# Altium PCB zhuzhuan1.PcbDoc
Units mil, origin at the board's own origin, x right, y up, seen from the top; angles counter-clockwise.
Board outline 18223.66 x 9842.52 mil, 2 copper layers (Top Layer, Bottom Layer); 80 components, 79 nets, 458 pads, 90 vias.
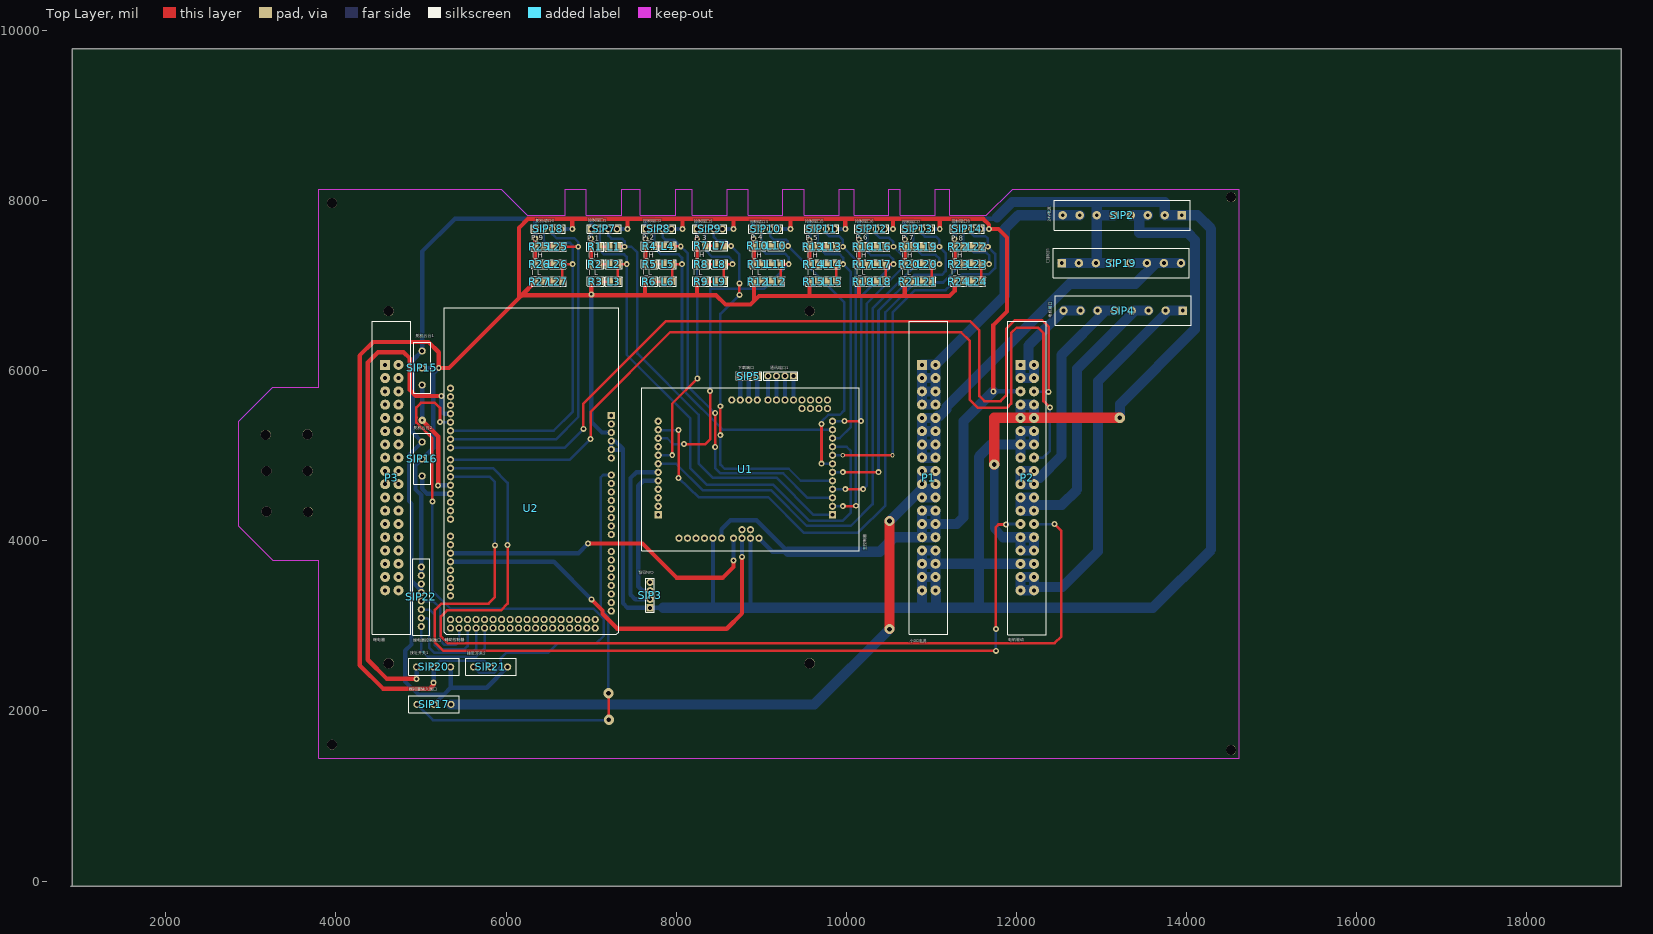
[diagram p0: Top Layer view]
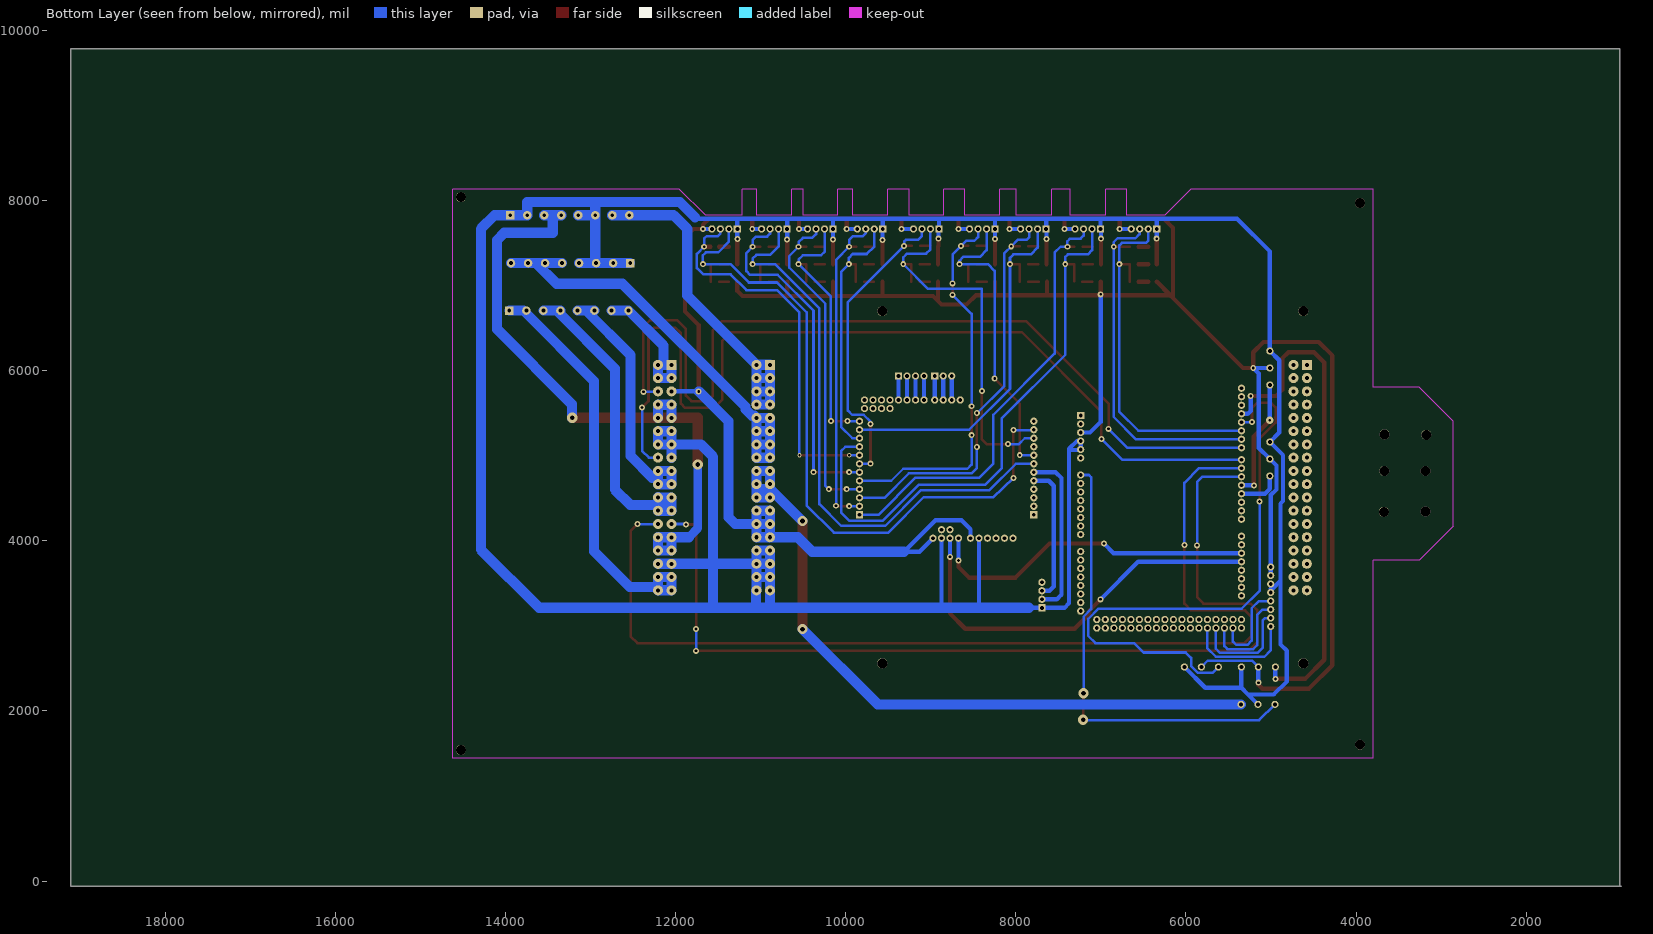
[diagram p1: Bottom Layer view, seen from below]

## Layer stack, top to bottom
Top Layer: signal copper 1.4
Dielectric: dielectric 12.6, FR-4, Dk 4.8
Bottom Layer: signal copper 1.4

## Board outline
885,-60 19108.66,-60 19108.66,9782.52 900,9782.52 900,-60

## Design rules (kind name [scope] priority, off if disabled: settings)
Clearance [All] p1: gap=80
PolygonConnect [All] p1: connectstyle=Relief reliefconductorwidth=10 reliefentries=4 polygonreliefangle="90 Angle"
RoutingVias [All] p1: holewidth=33 width=80 viastyle="Through Hole" minholewidth=10 minwidth=10 maxholewidth=300 maxwidth=500
SilkscreenOverComponentPads [All] p1: minsilkscreentomaskgap=10
SolderMaskExpansion [All] p1: expansion=4
Width [All] p1: maxlimit=500 minlimit=10 preferedwidth=30
27 further rules are at their usual default settings.

## Components (designator, comment, footprint, x,y, rotation, side; value= is the part's Value field where it differs from the comment)
L1 "P_1" LED-T 7314,7457 r180 top
L2 "I_H" LED-T 7314,7251 r180 top
L3 "I_L" LED-T 7218,7047 r0 top
L4 "P_2" LED-T 7954,7462 r180 top
L5 "I_H" LED-T 7954,7252 r180 top
L6 "I_L" LED-T 7854,7047 r0 top
L7 "P_3" LED-T 8559,7467 r180 top
L8 "I_H" LED-T 8559,7252 r180 top
L9 "I_L" LED-T 8459,7047 r0 top
L10 "P_4" LED-T 9224,7467 r180 top
L11 "I_H" LED-T 9229,7252 r180 top
L12 "I_L" LED-T 9129,7047 r0 top
L13 "P_5" LED-T 9879,7457 r180 top
L14 "I_H" LED-T 9884,7252 r180 top
L15 "I_L" LED-T 9784,7047 r0 top
L16 "P_6" LED-T 10464,7457 r180 top
L17 "I_H" LED-T 10464,7252 r180 top
L18 "I_L" LED-T 10364,7047 r0 top
L19 "P_7" LED-T 11004,7457 r180 top
L20 "I_H" LED-T 11004,7252 r180 top
L21 "I_L" LED-T 10904,7047 r0 top
L22 "P_8" LED-T 11589,7457 r180 top
L23 "I_H" LED-T 11589,7252 r180 top
L24 "I_L" LED-T 11489,7047 r0 top
L25 "P_9" LED-T 6659,7457 r180 top
L26 "I_H" LED-T 6659,7252 r180 top
L27 "I_L" LED-T 6559,7047 r0 top
P1 "小DC电源" DIP36-3.96MM 10891,6068.69 r0 top
P2 "电机驱动" DIP36-3.96MM 12049.34,6068.52 r0 top
P3 "继电器" DIP36-3.96MM 4578.92,6068.69 r0 top
R1 "R" RES-T 7099,7457 r180 top
R2 "R" RES-T 7099,7251 r180 top
R3 "R" RES-T 7103,7047 r180 top
R4 "R" RES-T 7739,7462 r180 top
R5 "R" RES-T 7739,7252 r180 top
R6 "R" RES-T 7734,7047 r180 top
R7 "R" RES-T 8344,7467 r180 top
R8 "R" RES-T 8344,7252 r180 top
R9 "R" RES-T 8344,7047 r180 top
R10 "R" RES-T 9009,7467 r180 top
R11 "R" RES-T 9014,7252 r180 top
R12 "R" RES-T 9014,7047 r180 top
R13 "R" RES-T 9664,7457 r180 top
R14 "R" RES-T 9669,7252 r180 top
R15 "R" RES-T 9669,7047 r180 top
R16 "R" RES-T 10249,7457 r180 top
R17 "R" RES-T 10249,7252 r180 top
R18 "R" RES-T 10249,7047 r180 top
R19 "R" RES-T 10789,7457 r180 top
R20 "R" RES-T 10789,7252 r180 top
R21 "R" RES-T 10789,7047 r180 top
R22 "R" RES-T 11374,7457 r180 top
R23 "R" RES-T 11374,7252 r180 top
R24 "R" RES-T 11374,7047 r180 top
R25 "R" RES-T 6444,7457 r180 top
R26 "R" RES-T 6444,7252 r180 top
R27 "R" RES-T 6444,7047 r180 top
SIP2 "24V电源" SIP8*3MM 13944,7827 r180 top
SIP3 "CAN总线" SIP4 7694,3212 r180 top
SIP4 "电机接口" SIP8*3MM 13954,6707 r180 top
SIP5 "下载端口" SIP3 8954,5937 r270 top
SIP7 "控制端口1" SIP4 7004,7667 r90 top
SIP8 "控制端口2" SIP4 7644,7667 r90 top
SIP9 "控制端口3" SIP4 8244,7667 r90 top
SIP10 "控制端口4" SIP4 8904,7667 r90 top
SIP11 "控制端口5" SIP4 9564,7667 r90 top
SIP12 "控制端口6" SIP4 10149,7667 r90 top
SIP13 "控制端口7" SIP4 10689,7667 r90 top
SIP14 "控制端口8" SIP4 11274,7667 r90 top
SIP15 "舵机云台1" SIP3-3MM 5014,5832 r90 top
SIP16 "舵机云台2" SIP3-3MM 5014,4762 r90 top
SIP17 "模拟量输入端口" SIP3-3MM 5354,2077 r180 top
SIP18 "舵机端口9" SIP4 6344,7667 r90 top
SIP19 "LED接口" SIP8*3MM 12535,7265 r0 top
SIP20 "接近开关1" SIP3-3MM 4949,2517 r0 top
SIP21 "接近开关2" SIP3-3MM 5619,2517 r0 top
SIP22 "继电器控制端口" SIP8 5004,3692 r0 top
U1 "主控制器" -----STM32F407----- 9838.69,4305.89 r180 top
U2 "辅助控制器" "ARDUINO 2560" 5348,5473.69 r0 top
通讯端口1 "SIP4" SIP4 9379,5937 r270 top

## Footprints (in the part's own frame and the unit in brackets; to place one, negate y for a bottom-side part, rotate by r counter-clockwise, add the part's x,y. Pads: shape width x height; smd on the part's side, far side on the other; paste and mask are expansions set on the pad)
-----STM32F407----- [mil]
  rect 85x85 hole 45: 1(2050,0) 13(0,0)
  round 85 hole 45: 2(2050,-100) 3(2050,-200) 4(2050,-300) 5(2050,-400) 6(2050,-500) 7(2050,-600) 8(2050,-700) 9(2050,-800) 10(2050,-900) 11(2050,-1000) 12(2050,-1100) 14(0,-100) 15(0,-200) 16(0,-300) 17(0,-400) 18(0,-500) 19(0,-600) 20(0,-700) 21(0,-800) 22(0,-900) 23(0,-1000) 24(0,-1100) 25(60,-1250) 26(160,-1250) 27(260,-1250) 28(360,-1250) 29(60,-1350) 30(160,-1350) 31(260,-1350) 32(360,-1350) 33(460,-1350) 34(560,-1350) 35(660,-1350) 36(760,-1350) 37(885,-1350) 38(985,-1350) 39(1085,-1350) 40(1185,-1350) 41(1805,275) 42(1705,275) 43(1605,275) 44(1505,275) 45(1405,275) 46(1305,275) 47(1165,275) 48(1065,275) 49(965,275) 50(865,275) 51(1065,175) 52(965,175)
  silkscreen extent -313,-1495 2241,423
"ARDUINO 2560" [mil]
  rect 85x85 hole 45: 1(1890,0)
  round 85 hole 45: 2(1890,-100) 3(1890,-200) 4(1890,-300) 5(1890,-400) 6(1890,-500) 7(1890,-700) 8(1890,-800) 9(1890,-900) 10(1890,-1000) 11(1890,-1100) 12(1890,-1200) 13(1890,-1300) 14(1890,-1400) 15(1890,-1600) 16(1890,-1700) 17(1890,-1800) 18(1890,-1900) 19(1890,-2000) 20(1890,-2100) 21(1890,-2200) 22(1890,-2300) 23(100,-2400) 24(100,-2500) 25(200,-2400) 26(200,-2500) 27(300,-2400) 28(300,-2500) 29(400,-2400) 30(400,-2500) 31(500,-2400) 32(500,-2500) 33(600,-2400) 34(600,-2500) 35(700,-2400) 36(700,-2500) 37(800,-2400) 38(800,-2500) 39(900,-2400) 40(900,-2500) 41(1000,-2400) 42(1000,-2500) 43(1100,-2400) 44(1100,-2500) 45(1200,-2400) 46(1200,-2500) 47(1300,-2400) 48(1300,-2500) 49(1400,-2400) 50(1400,-2500) 51(1500,-2400) 52(1500,-2500) 53(1600,-2400) 54(1600,-2500) 55(1700,-2400) 56(1700,-2500) 57(0,-2120) 58(0,-2020) 59(0,-1920) 60(0,-1820) 61(0,-1720) 62(0,-1620) 63(0,-1520) 64(0,-1420) 65(0,-1220) 66(0,-1120) 67(0,-1020) 68(0,-920) 69(0,-820) 70(0,-720) 71(0,-620) 72(0,-520) 73(0,-380) 74(0,-280) 75(0,-180) 76(0,-80) 77(0,20) 78(0,120) 79(0,220) 80(0,320) 81(0,-2500) 82(0,-2400)
  silkscreen extent -75,-2575 1975,1265
DIP36-3.96MM [mm]
  rect 3x3 hole 1.2: 1(0,0)
  round 3 hole 1.2: 2(4,0) 3(0,-3.96) 4(4,-3.96) 5(0,-7.92) 6(4,-7.92) 7(0,-11.88) 8(4,-11.88) 9(0,-15.84) 10(4,-15.84) 11(0,-19.8) 12(4,-19.8) 13(0,-23.76) 14(4,-23.76) 15(0,-27.72) 16(4,-27.72) 17(0,-31.68) 18(4,-31.68) 19(0,-35.64) 20(4,-35.64) 21(0,-39.6) 22(4,-39.6) 23(0,-43.56) 24(4,-43.56) 25(0,-47.52) 26(4,-47.52) 27(0,-51.48) 28(4,-51.48) 29(0,-55.44) 30(4,-55.44) 31(0,-59.4) 32(4,-59.4) 33(0,-63.36) 34(4,-63.36) 35(0,-67.32) 36(4,-67.32)
  silkscreen extent -3.81,-80.52 7.62,12.95
LED-T [mil]
  rect 75x85 smd: 1(0,0) 2(100,0)
  silkscreen extent -50,-55 150,55
RES-T [mil]
  rect 75x85 smd: 1(0,0) 2(100,0)
  silkscreen extent -50,-55 150,55
SIP3 [mil]
  rect 85x85 hole 45: 1(0,0)
  round 85 hole 45: 2(0,-100) 3(0,-200)
  silkscreen extent -50,-250 50,50
SIP3-3MM [mil]
  round 85 hole 45: 1(0,0) 2(200,0) 3(400,0)
  silkscreen extent -95,-100 500,100
SIP4 [mil]
  rect 85x85 hole 45: 1(0,0)
  round 85 hole 45: 2(0,-100) 3(0,-200) 4(0,-300)
  silkscreen extent -50,-350 50,50
SIP8 [mil]
  round 85 hole 45: 1(0,0) 2(0,-100) 3(0,-200) 4(0,-300) 5(0,-400) 6(0,-500) 7(0,-600) 8(0,-700)
  silkscreen extent -100,-800 100,100
SIP8*3MM [mm]
  rect 2.54x2.54 hole 1.1: 1(0,0)
  round 2.54 hole 1.1: 2(5.08,0) 3(10.16,0) 4(15.24,0) 5(20.32,0) 6(25.4,0) 7(30.48,0) 8(35.56,0)
  silkscreen extent -2.54,-4.44 38.1,4.45

## Part data
L1 L2 L3 L4 L5 L6 L7 L8 L9 L10 L11 L12 L13 L14 L15 L16 L17 L18 L19 L20 L21 L22 L23 L24 L25 L26 L27: library part LED
P1 P3: library part POWER_18*2
P2: library part Header
R1 R2 R3 R4 R5 R6 R7 R8 R9 R10 R11 R12 R13 R14 R15 R16 R17 R18 R19 R20 R21 R22 R23 R24 R25 R26 R27: library part RES-T
SIP2 SIP4 SIP19: library part SIP8*3MM
SIP3 SIP7 SIP8 SIP9 SIP10 SIP11 SIP12 SIP13 SIP14 SIP18: library part SIP4
SIP5 SIP15 SIP16 SIP17 SIP20 SIP21: library part SIP3
SIP22: library part SIP8
U1: library part ------STM32F407------
U2: library part "ARDUINO 2560"

## Free pads (board coordinates)
  round 118.11 hole 118.11: 0(14525,8040) 1(14525,1540) 2(3955,1604) 3(3955,7971) 4(3174,5246) 5(3665,5252) 6(3185,4821) 7(3668,4821) 8(3185,4344) 9(3674,4341) 10(4620,2560) 14(9570,6700) 15(4620,6700) 16(9570,2560)

## Via types
v1: diameter 70, hole 33, Top Layer to Bottom Layer, 81 vias
v2: diameter 120, hole 55, Top Layer to Bottom Layer, 6 vias
v3: diameter 50, hole 28, Top Layer to Bottom Layer, 2 vias
v4: diameter 85, hole 33, Top Layer to Bottom Layer, 1 vias

## Nets (pads, with @x,y where several pads share a name; then routed paths per layer and width w, separated by ;. In a path a pad name is that pad's centre, name@x,y a point inside that pad or via, vN(x,y) a via of type N, cw(c..) or ccw(c..) an arc to the next point about the centre after c; other vN are vias at no path point)
5V: P1.23 P1.24 P1.25 P1.26 P1.27 P1.28 P2.5 R3.2 R6.2 R9.2 R12.2 R15.2 R18.2 R21.2 R24.2 R27.2 SIP7.4 SIP8.4 SIP9.4 SIP10.4 SIP11.4 SIP12.4 SIP13.4 SIP14.4 SIP15.2 SIP16.2 SIP18.4 SIP20.2 SIP21.2 SIP22.1 SIP22.2 U1.46 U1.50 U2.3 | length 36658
  Top Layer w50: v1(5149,2332) 5149,2307 5104,2262 4554,2262 4279,2537 4279,6177 4439,6337 5089,6337 5209,6217 v1(5209,6032) 5329,6032 6151.5,6854.5 ; R27.2 6184,6887 ; v1(6779,7667) 6779,7782 ; v1(7003,6898) R3.2 ; v1@7434,7672 v1(7429,7667) 7429,7787 ; 7634,6892 R6.2 ; v1(8074,7667) 8074,7782 ; 8244,6897 R9.2 ; v1(8674,7667) 8674,7787 ; 8914,6830.6 R12.2 ; v1(9344,7667) 9344,7787 ; 9569,6887 R15.2 ; v1(9989,7667) 9989,7787 ; 10149,6882 R18.2 ; v1(10549,7667) 10549,7782 ; 10689,6882 R21.2 ; v1(11099,7667) 11099,7782 ; R24.2 11274,6937 11214,6877 8974,6877 8874,6777 8579,6777 8469,6887 6184,6887 ; v1(11729,5757) 11729,6537 11889,6697 11889,7567 11789,7667 v1(11679,7667) 11679,7717 11609,7787 9989,7787 ; 6151.5,6854.5 6184,6887 ; 6151.5,6854.5 6151.5,7679.5 6259,7787 7429,7787 ; 7429,7787 8674,7787 ; 8674,7787 9344,7787 ; 9344,7787 9989,7787
  Bottom Layer w30: SIP20.2 5224,2592 5744,2592 SIP21.2
  Bottom Layer w50: SIP22.2 SIP22.1 5004,4537.15 4936.5,4604.65 4936.5,4884.5 SIP16.2 5144,5092 5144,5967 v1(5209,6032) SIP15.2 ; v1(5149,2332) SIP20.2 ; SIP18.4 v1(6779,7667) ; v1(7003,6898) 7003,5398 7127.31,5273.69 U2.3 ; SIP7.4 v1(7429,7667) ; SIP8.4 v1(8074,7667) ; U1.46 8533.69,4136.69 8639,4242 8944,4242 9314,3872 ; SIP9.4 v1(8674,7667) ; U1.50 9132.58,3872 9374,3872 ; SIP10.4 v1(9344,7667) ; SIP11.4 v1(9989,7667) ; SIP12.4 v1(10549,7667) ; SIP13.4 v1(11099,7667) ; SIP14.4 v1(11679,7667) ; v1(11729,5757) 12049.05,5757 P2.5
  Bottom Layer w120: 9314,3872 10394,3872 10563.92,4041.92 P1.27 ; P1.23@10890.73,4353.73 P1.23 ; v1(11729,5757) 11379,5407 11379,4277 11299.83,4197.83 P1.26 ; P1.27 P1.28 P1.26 ; P1.27 P1.25 ; P1.25 P1.23 ; P1.25 P1.26 ; P1.23 P1.24 P1.26
9V: P1.17 P1.18 P1.19 P1.20 P1.21 P1.22 SIP17.1 | length 8425.8
  Top Layer w120: v2(10509,2962) v2(10509,4232)
  Bottom Layer w120: SIP17.1 9624,2077 v2(10509,2962) ; v2(10509,4232) 10884,4607 P1.20@11048.48,4607 ; P1.18@11047.93,4822 P1.18 ; P1.20@11048.48,4607 P1.22 P1.21 P1.19 P1.17 P1.18 ; P1.20@11048.48,4607 P1.20 P1.18
12V: P1.9 P1.10 P1.11 P1.12 P1.13 P1.14 P1.15 P1.16 SIP19.5 SIP19.6 SIP19.7 SIP19.8 | length 5684.1
  Bottom Layer w120: P1.9@10890.93,5445.07 P1.9 ; SIP19.5 SIP19.6 13641,7265 ; SIP19.8 SIP19.7 13641,7265 ; P1.11 P1.12 ; P1.11 P1.15 P1.16 P1.14 ; P1.11 P1.13 P1.14 ; P1.11 P1.9 ; P1.9 P1.10 ; P1.14 P1.12 ; P1.12 P1.10 ; P1.10 11074.39,5470.98 11102.33,5470.98 11178.48,5547.13 11178.48,5575.07 12626.41,7023 13399,7023 13641,7265
24_D: P2.7 P2.8 P2.9 P2.10 P2.27 P2.28 P2.29 P2.30 SIP2.3 SIP2.4 | length 7775.6
  Top Layer w120: v2(11739,4897) 11739,5447 v2(13214,5447)
  Bottom Layer w100: v2(11739,4897) 11739,4147 11844.25,4041.75
  Bottom Layer w120: 11844.25,4041.75 P2.27 ; P2.7@12049,5602 12050.2,5600.8 P2.8 P2.10 ; P2.27 P2.27 ; P2.9 P2.7 ; v2@13219,5447 13219,5607 14099,6487 14099,7537 14014,7622 13444,7622 13444,7827 ; SIP2.4 13444,7827 ; SIP2.3 13444,7827 ; P2.27 P2.29 P2.30 P2.28 P2.27
24_V: P1.1 P1.2 P1.3 P1.4 P1.5 P1.6 P1.7 P1.8 SIP2.7 SIP2.8 | length 4450.4
  Bottom Layer w120: P1.1@10889,6067 10890.69,6068.69 P1.1 ; SIP2.7 SIP2.8 12024,7827 11864,7667 11864,6884.21 P1.2 ; P1.5 P1.3 ; P1.5 P1.6 ; P1.5 P1.7 P1.8 P1.6 ; P1.3 P1.4 ; P1.3 P1.1 ; P1.1 P1.2 ; P1.6 P1.4 ; P1.4 P1.2
DUO1: L25.1 SIP18.3 U2.74 | length 4259.4
  Top Layer w30: L25.1 v1(6849,7457)
  Bottom Layer w30: U2.74 6585.69,5193.69 6849,5457 v1(6849,7457) 6849,7512 6804,7557 6594,7557 6544,7607 SIP18.3
DUO2: L26.1 L27.2 SIP18.2 U2.75 | length 4316.3
  Top Layer w30: L27.2 L26.1 v1(6784,7252)
  Bottom Layer w30: U2.75 6560.69,5293.69 6784,5517 v1(6784,7252) 6784,7472 6754,7502 6469,7502 6444,7527 SIP18.2
GND: P1.29 P1.30 P1.31 P1.32 P1.33 P1.34 P1.35 P1.36 P2.11 P2.12 P2.13 P2.14 P2.15 P2.31 P2.32 R1.2 R2.2 R4.2 R5.2 R7.2 R8.2 R10.2 R11.2 R13.2 R14.2 R16.2 R17.2 R19.2 R20.2 R22.2 R23.2 R25.2 R26.2 SIP2.1 SIP2.2 SIP2.5 SIP2.6 SIP3.1 SIP7.1 SIP8.1 SIP9.1 SIP10.1 SIP11.1 SIP12.1 SIP13.1 SIP14.1 SIP15.3 SIP16.3 SIP17.2 SIP18.1 SIP19.1 SIP19.2 SIP19.3 SIP19.4 SIP20.3 SIP21.3 SIP22.3 SIP22.4 U1.45 U1.49 U2.4 U2.5 | length 44156
  Top Layer w50: R26.2 R25.2 v1(6344,7552) ; R2.2 R1.2 v1(6999,7552) ; R5.2 R4.2 v1(7639,7547) ; R8.2 R7.2 v1(8244,7547) ; v1(8909,7552) R10.2 8914,7462 R11.2 ; R14.2 v1(9569,7537) ; R17.2 R16.2 v1(10149,7542) ; R20.2 R19.2 v1(10689,7542) ; R23.2 R22.2 v1(11274,7547)
  Bottom Layer w50: 5004,3437 4984,3437 4889,3532 ; SIP17.2 5269,2192 ; SIP20.3 5349,2272 ; SIP21.3 5774,2272 5349,2272 ; v1(6344,7552) SIP18.1 6344,7787 ; v1(6999,7552) 6999,7662 SIP7.1 7004,7782 ; 7364,5067 7244.69,5067 U2.5 U2.4 7282.31,5173.69 7374,5082 7374,3267 7429,3212 SIP3.1 7844,3212 ; v1(7639,7547) SIP8.1@7639,7662 ; SIP8.1 7644,7777 ; v1(8244,7547) SIP9.1 8244,7782 ; 8433.69,3236.69 U1.45 ; 8873.69,3217.31 U1.49 ; SIP10.1 8904,7782 ; v1(8909,7552) SIP10.1@8909,7662 ; v1(9569,7537) 9569,7662 SIP11.1 9564,7787 ; v1(10149,7542) SIP12.1 10149,7782 ; v1(10689,7542) SIP13.1 10689,7777 ; v1(11274,7547) SIP14.1 11274,7787 ; 11771.5,7804.5 11754,7787 11274,7787 ; 4889,3532 4889,4437 4859,4467 4859,5007 SIP16.3 4904,5272 4904,6122 SIP15.3 5014,7402 5399,7787 6344,7787 ; 4889,3532 4889,2782 4814,2707 4814,2347 4969,2192 5269,2192 ; 5269,2192 5349,2272 ; 6344,7787 9564,7787 ; 9564,7787 11274,7787
  Bottom Layer w120: 7844,3212 11054,3212 ; P1.29@10889,3887 11047.5,3887 P1.30 P1.32 ; 10891,3219 P1.35 P1.33 ; P1.29 P1.31 ; P1.36 P1.34 ; P1.34@11048.48,3544.2 P1.34 ; P1.32@11048.65,3729.94 11559,3729.94 ; P1.36@11054,3418.3 11054,3212 ; 11559,3217 11559,3729.94 ; 11771.5,7804.5 11949,7982 13744,7982 SIP2.2 SIP2.1 14129,7827 14289,7667 14289,3897 13604,3212 11054,3212 ; P2.15 P2.13 ; P2.32 P2.31 11559,3729.94 ; SIP19.1 SIP19.2 SIP19.3 SIP19.4 ; SIP19.3@12944,7274 SIP2.6 ; 12944,7977 SIP2.6 ; SIP2.5 SIP2.6 ; P1.33 P1.31 ; P1.33 P1.34 ; P1.31 P1.32 ; P1.34 P1.32 ; 11559,3729.94 11559,4987 11705.09,5133.09 P2.13 ; P2.13 P2.11 P2.12 P2.14 P2.13
NetL1_2: L1.2 R1.1 | length 115
  Top Layer w30: R1.1 L1.2
NetL2_2: L2.2 R2.1 | length 115
  Top Layer w30: R2.1 L2.2
NetL3_1: L3.1 R3.1 | length 115
  Top Layer w30: R3.1 L3.1
NetL4_2: L4.2 R4.1 | length 115
  Top Layer w30: R4.1 L4.2
NetL5_2: L5.2 R5.1 | length 115
  Top Layer w30: R5.1 L5.2
NetL6_1: L6.1 R6.1 | length 120
  Top Layer w30: R6.1 L6.1
NetL7_2: L7.2 R7.1 | length 115
  Top Layer w30: R7.1 L7.2
NetL8_2: L8.2 R8.1 | length 115
  Top Layer w30: R8.1 L8.2
NetL9_1: L9.1 R9.1 | length 115
  Top Layer w30: R9.1 L9.1
NetL10_2: L10.2 R10.1 | length 115
  Top Layer w30: R10.1 L10.2
NetL11_2: L11.2 R11.1 | length 115
  Top Layer w30: R11.1 L11.2
NetL12_1: L12.1 R12.1 | length 115
  Top Layer w30: R12.1 L12.1
NetL13_2: L13.2 R13.1 | length 115
  Top Layer w30: R13.1 L13.2
NetL14_2: L14.2 R14.1 | length 115
  Top Layer w30: R14.1 L14.2
NetL15_1: L15.1 R15.1 | length 115
  Top Layer w30: R15.1 L15.1
NetL16_2: L16.2 R16.1 | length 115
  Top Layer w30: R16.1 L16.2
NetL17_2: L17.2 R17.1 | length 115
  Top Layer w30: R17.1 L17.2
NetL18_1: L18.1 R18.1 | length 115
  Top Layer w30: R18.1 L18.1
NetL19_2: L19.2 R19.1 | length 115
  Top Layer w30: R19.1 L19.2
NetL20_2: L20.2 R20.1 | length 115
  Top Layer w30: R20.1 L20.2
NetL21_1: L21.1 R21.1 | length 115
  Top Layer w30: R21.1 L21.1
NetL22_2: L22.2 R22.1 | length 115
  Top Layer w50: R22.1 L22.2
NetL23_2: L23.2 R23.1 | length 115
  Top Layer w30: R23.1 L23.2
NetL24_1: L24.1 R24.1 | length 115
  Top Layer w30: R24.1 L24.1
NetL25_2: L25.2 R25.1 | length 115
  Top Layer w50: R25.1 L25.2
NetL26_2: L26.2 R26.1 | length 115
  Top Layer w50: R26.1 L26.2
NetL27_1: L27.1 R27.1 | length 115
  Top Layer w50: R27.1 L27.1
NetSIP3_2: SIP3.2 U1.6 | length 1976
  Bottom Layer w50: SIP3.2 7519,3312 7464,3367 7464,4737 7532.89,4805.89 U1.6
NetSIP3_3: SIP3.3 U1.5 | length 1604.8
  Bottom Layer w50: SIP3.3 7604,3412 7554,3462 7554,4647 7612.89,4705.89 U1.5
NetSIP5_1: SIP5.1 U1.37 | length 280.8
  Bottom Layer w50: U1.37 SIP5.1@8953.69,5936.69
NetSIP5_2: SIP5.2 U1.38 | length 280.8
  Bottom Layer w50: U1.38@8854,5656.2 SIP5.2
NetSIP5_3: SIP5.3 U1.39 | length 280.8
  Bottom Layer w50: U1.39 SIP5.3@8753.69,5936.69
NetSIP15_1: SIP15.1 U2.69 | length 1410.5
  Top Layer w50: v4(5014,5417) 5204,5227 5204,4657 v1(5199,4652)
  Bottom Layer w50: v4(5014,5417) SIP15.1 ; v1(5199,4652) 5346.31,4652 U2.69
NetSIP16_1: SIP16.1 U2.68 | length 508.2
  Bottom Layer w50: SIP16.1 5014,4612 5072.31,4553.69 U2.68
NetSIP17_3: SIP17.3 U2.7 | length 5358.1
  Top Layer w30: v2(7204,2207) 7209,2202 v2(7209,1897)
  Bottom Layer w30: SIP17.3 5139,1892 7204,1892 v2(7209,1897) ; v2(7204,2207) 7204,3107 7114,3197 7114,4747 7140.69,4773.69 U2.7
NetSIP20_1: SIP20.1 U2.77 | length 5945.8
  Top Layer w50: v1(4949,2377) 4599,2377 4374,2602 4374,6097 4494,6217 4794,6217 4869,6142 4869,5772 4939,5702 v1(5239,5702)
  Bottom Layer w50: v1(4949,2377) SIP20.1 ; v1(5239,5702) 5239,5527 5272.31,5493.69 U2.77
NetSIP21_1: SIP21.1 U2.76 | length 6999.7
  Top Layer w30: 4949,5449.96 4946.5,5447.46 ; v1(5134,4462) 5134,5201.54 4946.5,5389.04 4946.5,5447.46 ; v1(5224,5397) 5224,5562 5164,5622 4999,5622 4946.5,5569.5 4946.5,5447.46
  Bottom Layer w30: v1(5134,4462) 5134,3412 5344,3202 7029,3202 7149,3082 7149,2882 7064,2797 6609,2797 6499,2687 6004,2687 5939,2622 5939,2527 5859,2447 5689,2447 SIP21.1 ; v1(5224,5397) 5227.31,5393.69 U2.76
NetSIP22_5: SIP22.5 U2.24 | length 1053.8
  Bottom Layer w30: SIP22.5 5144,3292 5229,3207 5229,2827 5279,2777 5409,2777 5448,2816 U2.24
NetSIP22_6: SIP22.6 U2.26 | length 1171.3
  Bottom Layer w30: SIP22.6 5099,3192 5164,3127 5164,2772 5209,2727 5514,2727 5548,2761 U2.26
NetSIP22_7: SIP22.7 U2.28 | length 1264.3
  Bottom Layer w30: SIP22.7 5069,3092 5099,3062 5099,2742 5159,2682 5599,2682 5648,2731 U2.28
NetSIP22_8: SIP22.8 U2.30 | length 1333.8
  Bottom Layer w30: SIP22.8 5004,2712 5079,2637 5649,2637 5748,2736 U2.30
NetU1_33: U1.33 通讯端口1.1 | length 281.2
  Bottom Layer w50: U1.33 9379,5656.2 通讯端口1.1
NetU1_34: U1.34 通讯端口1.2 | length 280.8
  Bottom Layer w50: U1.34@9279,5656.2 通讯端口1.2
NetU1_35: U1.35 通讯端口1.3 | length 280.8
  Bottom Layer w50: U1.35 通讯端口1.3@9178.69,5936.69
NetU1_36: U1.36 通讯端口1.4 | length 280.8
  Bottom Layer w50: U1.36@9079,5656.2 通讯端口1.4
OUT1: P2.1 P2.2 P2.3 P2.4 SIP4.7 SIP4.8 | length 1633.9
  Bottom Layer w120: P2.1 P2.3 P2.4 P2.2 12144,6068.52 ; P2.1@12050.52,6068.52 12144,6068.52 ; SIP4.7 SIP4.8 12144,6297 12144,6068.52
OUT2: P2.17 P2.18 P2.19 P2.20 SIP4.5 SIP4.6 | length 3182.4
  Bottom Layer w120: P2.17@12049.34,4821.66 P2.17 ; SIP4.6 13054,6707 ; SIP4.5 13054,6707 ; P2.17 P2.19 P2.20 12206.82,4742 ; P2.17 P2.18 12206.82,4742 ; 12206.82,4742 12274,4742 12529,4997 12529,6182 13054,6707
OUT3: P2.21 P2.22 P2.23 P2.24 SIP4.3 SIP4.4 | length 3873.7
  Bottom Layer w120: 12134,4422 12206.82,4422 ; P2.22@12204.28,4512 P2.22 ; SIP4.4 SIP4.4@13399,6707 ; SIP4.3 SIP4.4@13399,6707 ; 12206.82,4422 12534,4422 12714,4602 12714,6022 SIP4.4@13399,6707 ; 12206.82,4422 P2.24 P2.23 P2.21 P2.22 ; 12206.82,4422 P2.22
OUT4: P2.33 P2.34 P2.35 P2.36 SIP4.1 SIP4.2 | length 4891.7
  Bottom Layer w120: SIP4.1 13789,6707 12959,5877 12959,3877 12539,3457 P2.36@12206.82,3457 ; P2.36@12206.82,3457 P2.36 P2.35 P2.33 P2.34 P2.36@12206.82,3457
PWM1: P2.6 U2.73 | length 10484.2
  Top Layer w30: v1(6909,5317) 6909,5612 7879,6582 11454,6582 11564,6472 11564,5702 11624,5642 11814,5642 11879,5707 11879,6492 11979,6592 12304,6592 12379,6517 v1(12379,5752)
  Bottom Layer w30: U2.73 6685.69,5093.69 v1(6909,5317) ; P2.6 12211.53,5752 v1(12379,5752)
PWM2: P2.16 U2.72 | length 11092.8
  Top Layer w30: v1(6994,5197) 6994,5517 7929,6452 11349,6452 11454,6347 11454,5657 11549,5562 11889,5562 11939,5612 11939,6442 12004,6507 12254,6507 12319,6442 12319,5642 v1(12394,5567)
  Bottom Layer w30: U2.72 6750.69,4953.69 v1(6994,5197) ; P2.16 12314.18,4977.18 12394,5057 v1(12394,5567)
PWM3: P2.26 U2.71 | length 12201.1
  Top Layer w30: v1(6019,3952) 6019,3262 5939,3182 5304,3182 5234,3112 5234,2877 5314,2797 12449,2797 12529,2877 12529,4117 v1(12449,4197)
  Bottom Layer w30: U2.71 5847.31,4853.69 6019,4682 v1(6019,3952) ; P2.26 12207.47,4197 v1(12449,4197)
PWM4: P2.25 U2.70 | length 11446.2
  Top Layer w30: v1(5869,3947) 5869,3337 5794,3262 5239,3262 5164,3187 5164,2807 5264,2707 v1(11759,2707) ; v1(11759,2962) 11759,4162 11789,4192 v1@11879,4192
  Bottom Layer w30: U2.70 5807.31,4753.69 5869,4692 v1(5869,3947) ; v1(11759,2707) v1(11759,2962) ; v1(11878,4192) 11883.65,4197.65 P2.25
RX2: U1.48 U2.61 | length 4733.9
  Top Layer w50: v1(7004,3312) 7134,3182 7134,3142 7309,2967 8594,2967 8774,3147 v1(8774,3812)
  Bottom Layer w50: U2.61 6562.31,3753.69 v1(7004,3312) ; U1.48 8774,4030.58 v1(8774,3812)
T1_1: L7.1 SIP9.3 U1.17 | length 4527
  Top Layer w30: v1(8519,5242) v1(8519,5582) ; L7.1 v1(8644,7467) ; v1(8744,6892) v1(8744,7027)
  Bottom Layer w30: SIP9.3 8444,7572 8489,7527 8584,7527 v1(8644,7467) 8744,7367 v1(8744,7027) ; v1(8519,5242) 8519,4897 8569,4847 9324,4847 9465.11,4705.89 U1.17 ; v1(8519,5582) 8519,6667 v1(8744,6892)
T1_2: L19.1 SIP13.3 U1.18 | length 4200.5
  Top Layer w30: v1(9959,4807) v1(10379,4807) ; L19.1 v1(11094,7457)
  Bottom Layer w30: U1.18 9839.8,4807 v1(9959,4807) ; v1(10379,4807) 10379,6707 10799,7127 11124,7127 11169,7172 11169,7382 v1(11094,7457) 11094,7537 11054,7577 10924,7577 10889,7612 SIP13.3
T1_3: L10.1 SIP10.3 U1.19 | length 3614.3
  Top Layer w30: L10.1 v1(9314,7467) ; v1(9709,4907) v1(9709,5372)
  Bottom Layer w30: SIP10.3 9104,7582 9149,7537 9294,7537 9314,7517 v1(9314,7467) 9974,6807 9974,5532 9924,5482 9789,5482 9709,5402 v1(9709,5372) ; v1(9709,4907) 9837.58,4907 U1.19
T1_4: L22.1 SIP14.3 U1.20 | length 4528.3
  Top Layer w30: v3(9959,5007) v3(10544,5007)
  Top Layer w50: L22.1 v1(11664,7457)
  Bottom Layer w30: U1.20 9839.8,5007 v3(9959,5007) ; v3(10544,5007) 10544,6682 10809,6947 11169,6947 11354,7132 11674,7132 11749,7207 11749,7372 v1(11664,7457) 11664,7552 11634,7582 11504,7582 11474,7612 SIP14.3
T3_1: L8.1 L9.2 SIP9.2 U1.8 | length 3877.9
  Top Layer w30: v1@7954,5002 v1(7954,5007) 7954,5612 v1(8249,5907) ; L9.2 L8.1 v1(8664,7252)
  Bottom Layer w30: U1.8@7787.58,5007 U1.8 ; U1.8@7789.8,5007 v1(7954,5007) ; v1(8249,5907) 8249,7172 8329,7252 v1(8664,7252) 8664,7292 8619,7337 8424,7337 8344,7417 SIP9.2
T3_2: L20.1 L21.2 SIP13.2 U1.7 | length 7158.3
  Top Layer w30: L21.2 L20.1 v1(11094,7252)
  Bottom Layer w30: U1.7 8000.11,4905.89 8314,4592 9119,4592 9534,4177 10054,4177 10309,4432 10309,6732 10829,7252 v1(11094,7252) 11094,7317 11049,7362 10889,7362 10789,7462 SIP13.2
T3_3: L11.1 L12.2 SIP10.2 U1.10 | length 4457.7
  Top Layer w30: v1(8094,5137) 8344,5137 8399,5192 v1(8399,5762) ; L12.2 L11.1 v1(9324,7252)
  Bottom Layer w30: U1.10@7787.58,5207 U1.10 7895.11,5205.89 7964,5137 v1(8094,5137) ; v1(8399,5762) 8399,6962 9034,6962 v1(9324,7252) 9324,7332 9279,7377 9054,7377 9004,7427 SIP10.2
T3_4: L23.1 L24.2 SIP14.2 U1.11 | length 8277.2
  Top Layer w30: v1(8029,4737) v1(8029,5302) ; L24.2 L23.1 v1(11679,7252)
  Bottom Layer w30: U1.11@7789.8,5307 U1.11 7792.58,5302 v1(8029,5302) ; v1(8029,4737) 8269,4512 9084,4512 9499,4097 10139,4097 10459,4417 10459,6687 10809,7037 11139,7037 11354,7252 v1(11679,7252) 11679,7357 11644,7392 11499,7392 11374,7517 SIP14.2
T4_1: L2.1 L3.2 SIP7.2 U1.21 | length 6837.4
  Top Layer w30: L3.2@7314,7051 L2.1 ; L2.1@7315,7252 v1(7419,7252)
  Bottom Layer w30: SIP7.2 7104,7417 7154,7367 7389,7367 7419,7337 v1(7419,7252) 7419,6187 8164,5442 8164,4857 8364,4657 9144,4657 9564,4237 9959,4237 10054,4332 10054,5057 10005.11,5105.89 U1.21
T4_2: L14.1 L15.2 SIP11.2 U1.22 | length 3142.8
  Top Layer w30: L15.2 L14.1 v1(9964,7252)
  Bottom Layer w30: SIP11.2 9664,7462 9754,7372 9919,7372 9964,7327 v1(9964,7252) 10054,7162 10054,5337 9922.89,5205.89 U1.22
T4_3: L5.1 L6.2 SIP8.2 U1.23 | length 4423.7
  Top Layer w30: L6.2 L5.1 v1(8069,7252)
  Bottom Layer w30: SIP8.2 7744,7447 7824,7367 8029,7367 8069,7327 v1(8069,7252) 8069,5787 8550.11,5305.89 U1.23
T4_4: L17.1 L18.2 SIP12.2 U1.24 | length 3300.4
  Top Layer w30: v1(9979,5407) v1(10174,5407) ; L18.2 L17.1 v1(10554,7252)
  Bottom Layer w30: U1.24 9839.8,5407 v1(9979,5407) ; v1(10174,5407) 10174,6872 v1(10554,7252) 10554,7307 10504,7357 10289,7357 10249,7397 SIP12.2
T5_1: L1.1 SIP7.3 U1.13 | length 5222.8
  Top Layer w30: L1.1 v1(7394,7457)
  Bottom Layer w30: SIP7.3 7204,7587 7239,7552 7364,7552 7394,7522 v1(7394,7457) 7474,7457 7544,7387 7544,6202 8264,5482 8264,4907 8429,4742 9179,4742 9615.11,4305.89 U1.13
T5_2: L13.1 SIP11.3 U1.14 | length 3825.2
  Top Layer w30: L13.1 v1(9959,7457) ; v1(9959,4407) 10109,4407 v1(10114,4412)
  Bottom Layer w30: SIP11.3 9764,7617 9799,7582 9914,7582 9959,7537 v1(9959,7457) 10114,7302 v1(10114,4412) ; U1.14 9957.89,4405.89 v1(9959,4407)
T5_3: L4.1 SIP8.3 U1.15 | length 4754.3
  Top Layer w30: L4.1 v1(8054,7462) ; v1(8459,5102) v1(8459,5502)
  Bottom Layer w30: SIP8.3 7844,7567 7874,7537 7979,7537 v1(8054,7462) 8134,7382 8134,5822 8454,5502 v1(8459,5502) ; v1(8459,5102) 8459,4857 8524,4792 9259,4792 9545.11,4505.89 U1.15
T5_4: L16.1 SIP12.3 U1.16 | length 3898.3
  Top Layer w30: v1(9989,4607) v1(10199,4607) ; L16.1 v1(10554,7457)
  Bottom Layer w30: U1.16 9839.8,4607 v1(9989,4607) ; v1(10199,4607) 10239,4647 10239,6787 10664,7212 10664,7347 v1(10554,7457) 10554,7512 10504,7562 10394,7562 10349,7607 SIP12.3
TX2: U1.47 U2.62 | length 3929.4
  Top Layer w50: v1(6964,3967) 7604,3967 8004,3567 8549,3567 8674,3692 v1(8674,3767)
  Bottom Layer w50: U2.62 6850.69,3853.69 v1(6964,3967) ; U1.47 8674,4030.58 v1(8674,3767)
pads on no net: P3.1 P3.2 P3.3 P3.4 P3.5 P3.6 P3.7 P3.8 P3.9 P3.10 P3.11 P3.12 P3.13 P3.14 P3.15 P3.16 P3.17 P3.18 P3.19 P3.20 P3.21 P3.22 P3.23 P3.24 P3.25 P3.26 P3.27 P3.28 P3.29 P3.30 P3.31 P3.32 P3.33 P3.34 P3.35 P3.36 SIP3.4 U1.1 U1.2 U1.3 U1.4 U1.9 U1.12 U1.25 U1.26 U1.27 U1.28 U1.29 U1.30 U1.31 U1.32 U1.40 U1.41 U1.42 U1.43 U1.44 U1.51 U1.52 U2.1 U2.2 U2.6 U2.8 U2.9 U2.10 U2.11 U2.12 U2.13 U2.14 U2.15 U2.16 U2.17 U2.18 U2.19 U2.20 U2.21 U2.22 U2.23 U2.25 U2.27 U2.29 U2.31 U2.32 U2.33 U2.34 U2.35 U2.36 U2.37 U2.38 U2.39 U2.40 U2.41 U2.42 U2.43 U2.44 U2.45 U2.46 U2.47 U2.48 U2.49 U2.50 U2.51 U2.52 U2.53 U2.54 U2.55 U2.56 U2.57 U2.58 U2.59 U2.60 U2.63 U2.64 U2.65 U2.66 U2.67 U2.78 U2.79 U2.80 U2.81 U2.82

## Keep-outs
Keep-Out Layer:
  lines w2: 3799,1442 3799,3771 3255,3771 2855,4171 2855,4788 2855,5406 3255,5806 3799,5806 3799,8125.91 3799,8134.91 5941.09,8134.91 6250,7826 6698,7826 6698,8134.91 6944,8134.91 6944,7826 7358,7826 7358,8133.91 7580,8133.91 7580,7826 7996,7826 7996,8133.91 8192,8133.91 8192,7826 8599,7826 8599,8130.91 8599,8133.91 8847.91,8133.91 ; 8848,8133.91 8848,7826 9255,7826 9255,8134.91 9504,8134.91 ; 9505,8133.91 9505,7826 9918,7826 9918,8134.91 10095,8134.91 10095,7826 10501,7826 10501,8134.91 10637,8134.91 10637,7826 11044,7826 11044,8132.91 11044,8134.91 ; 11046,8134.91 11218,8134.91 11218,7984 11218,7826 11219,7825 11648,7825 11957.91,8134.91 14620,8134.91
  lines w3: 4428.92,1442 3799,1442 14620,1442 14620,8134.91